# Altium PCB Hrafn.PcbDoc (part 2 of 5) (continued)
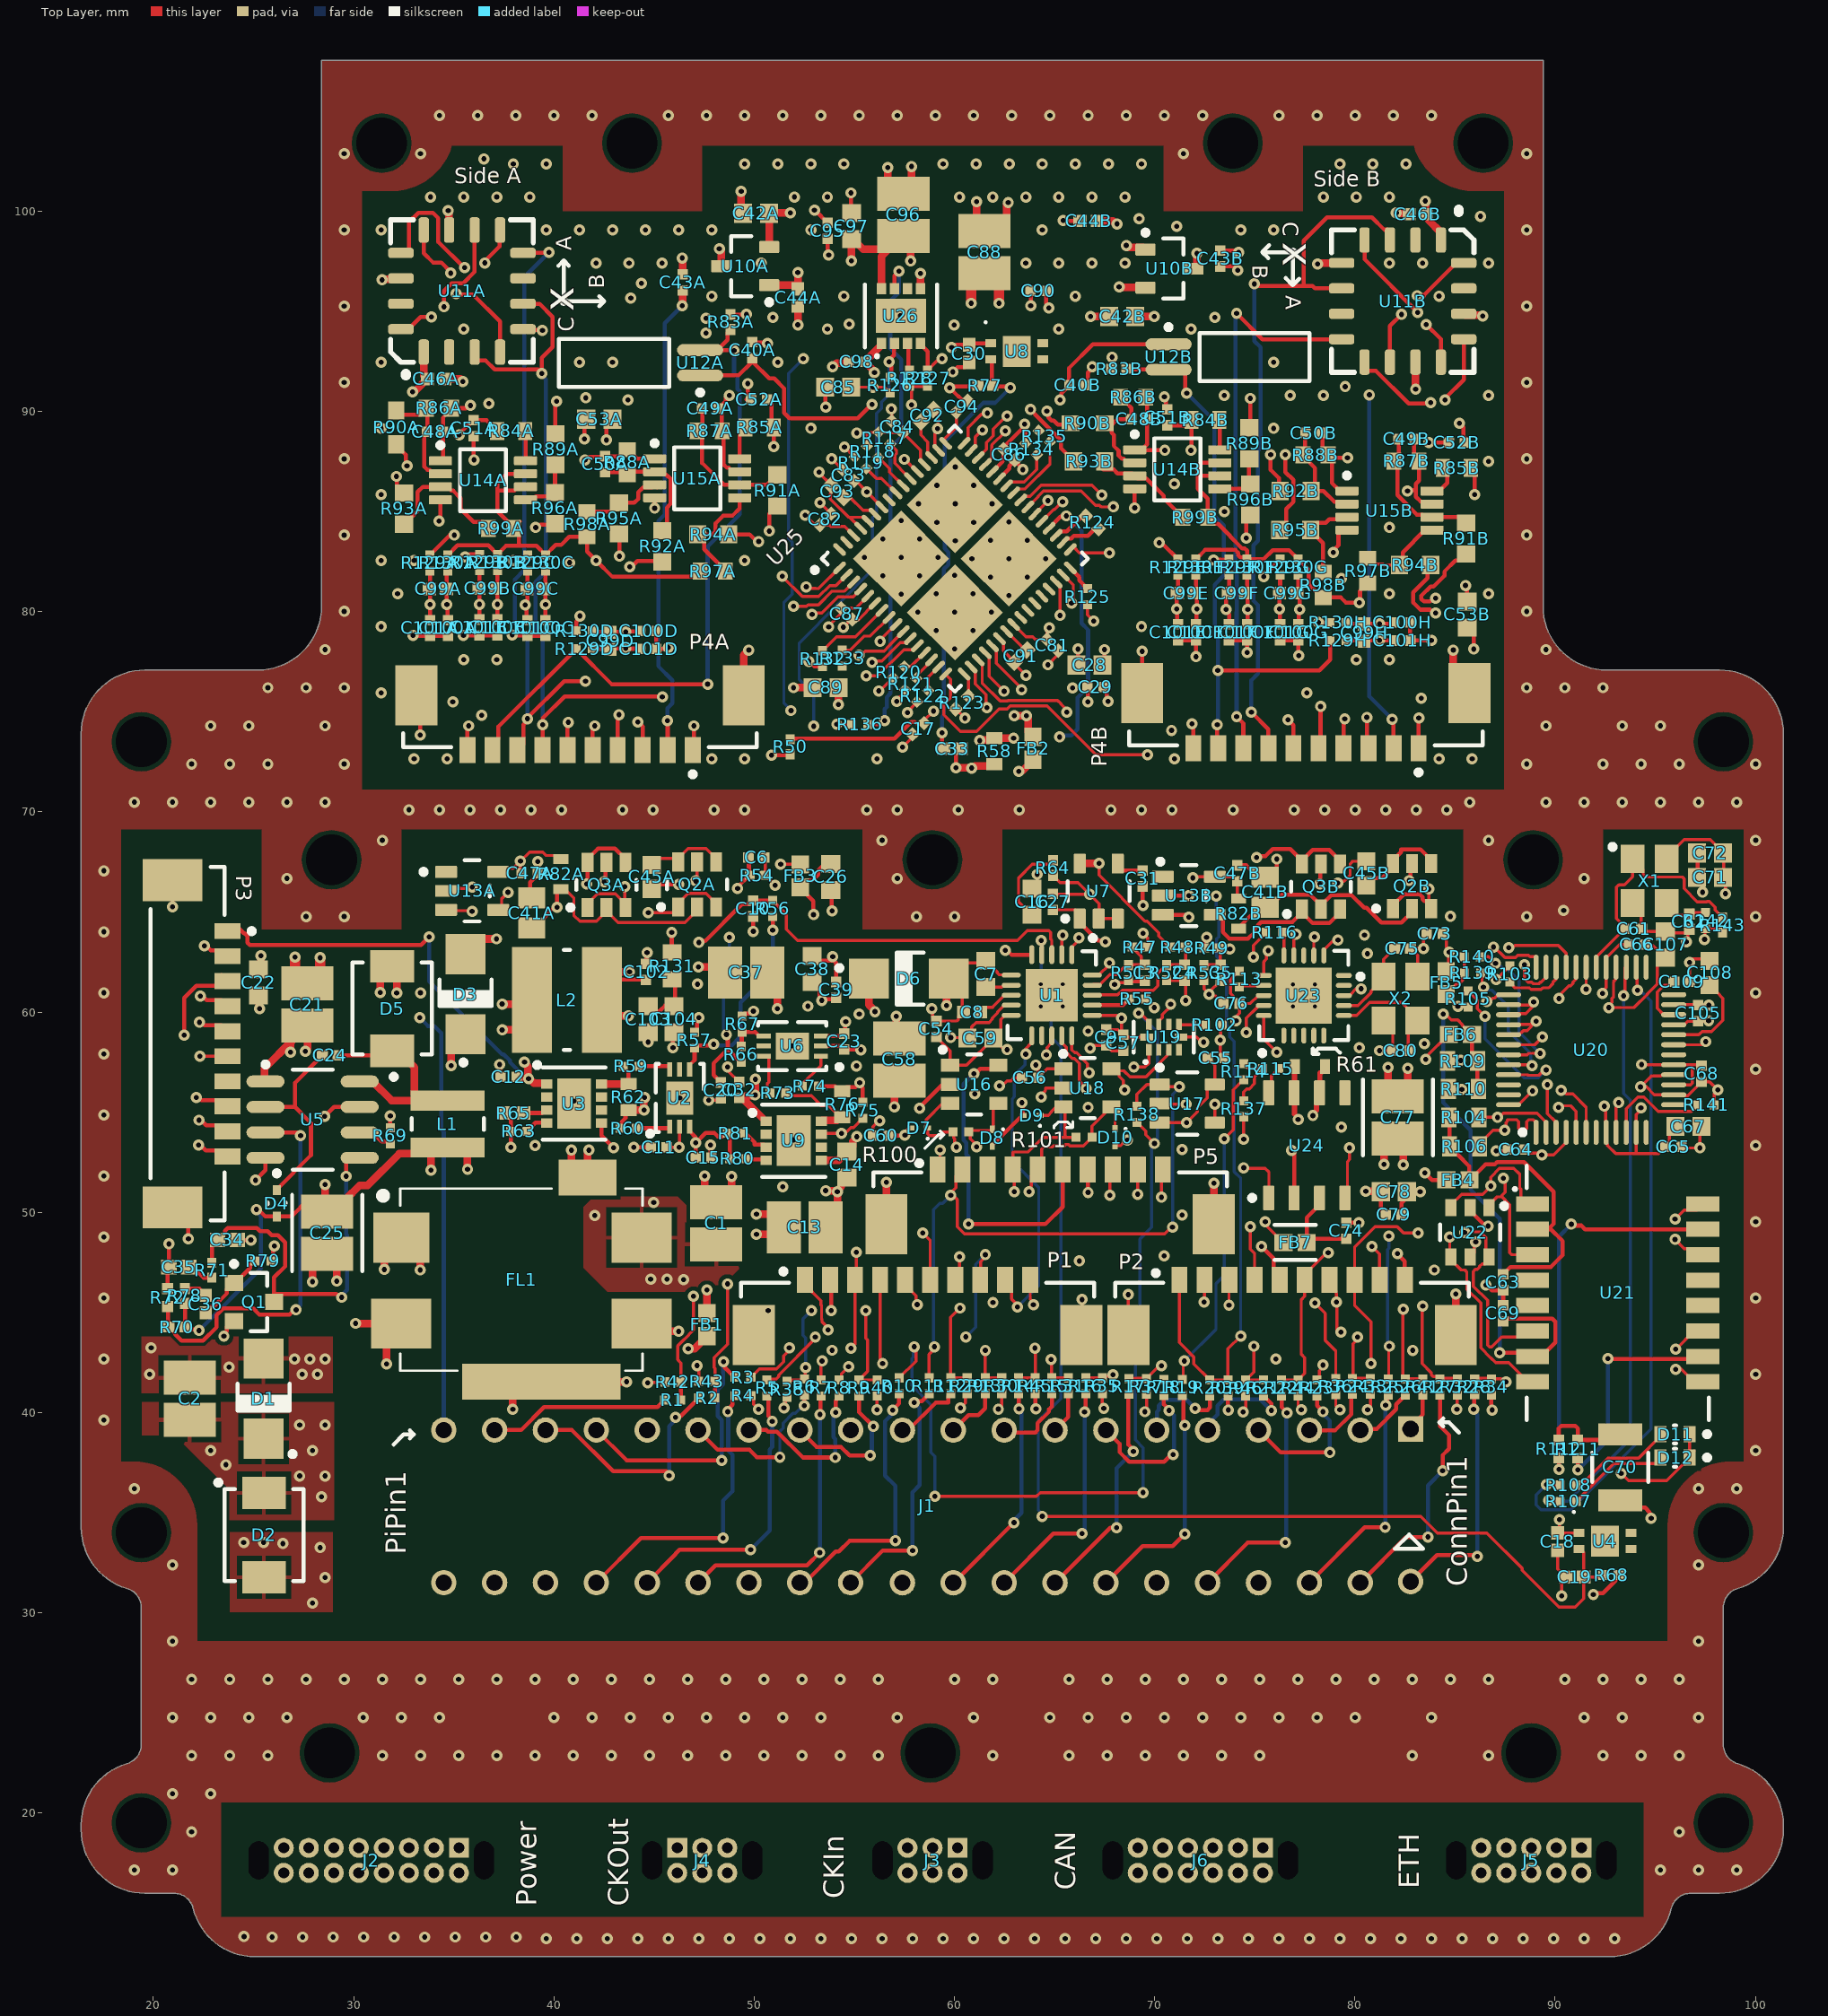
[diagram p0: Top Layer view]
## Part data (continued)
U4 U8: library part AD590, Supplier 1=Digi-Key
U5: library part CMP-0491-01945-1, "4.5 A, 500 kHz Step-Down Switching Regulator, 8-pin SOIC (S8-8), 0 to 125 degC, Pb-Free", Frequency Sync Range="580kHz - 1MHz", Manufacturer="Linear Technology", ComponentLink1Description="Manufacturer URL", ComponentLink1URL=http://www.linear.com/, ComponentLink2Description=Datasheet, ComponentLink2URL=http://cds.linear.com/docs/en/datasheet/1959fs.pdf, ComponentLink3Description="Package Specification", ComponentLink3URL=http://cds.linear.com/docs/en/packaging/05081610_G_SO8.pdf, Mounting Technology="Surface Mount", Number Of Outputs=1, PackageDescription="8-Pin Plastic Small Outline (Narrow .150 Inch), Body 4.9 x 3.9 mm, Pitch 1.27 mm", PackageReference=S8-8, PackageVersion="Rev. G, 03/2012", PartNumber=LT1959CS8#PBF, RoHS=TRUE
U7: library part CMP-0394-00266-2, "Single Output High PSRR LDO, 100 mA, Fixed 3.3 V Output, 2.7 to 5.5 V Input, 5-pin SOT-23 (DBV), -40 to 125 degC, Green (RoHS & no Sb/Br)", Manufacturer="Texas Instruments", Rating=Catalog, Accuracy(%)=2, Code_JEDEC=MO-178, ComponentLink1Description="Manufacturer URL", ComponentLink1URL=http://www.ti.com/, ComponentLink2Description=Datasheet, ComponentLink2URL=http://www.ti.com/general/docs/lit/getliterature.tsp?genericPartNumber=TPS79133&fileType=pdf, ComponentLink3Description="Package Specification", ComponentLink3URL=http://www.ti.com/litv/pdf/mpds018i, ComponentLink4Description="URL Link1", ComponentLink4URL="Samples URL:http://www.ti.com/product/tps79133#samples", DatasheetVersion=SLVS325C, Eco-Plan="Green (RoHS & no Sb/Br)", Fixed Output Options(V)=3.3, Iout(Max)(A)=0.1, Iq(Typ)(mA)=0.2, Mounting Technology="Surface Mount", PackageDescription="5-Pin Plastic Small Outline, Body 1.60 Ãƒâ€” 2.90 mm, Pitch 0.95 mm", PackageReference=DBV0005A, PackageVersion=4073253-4/K, PartNumber=TPS79133DBVR, SubFamily="Single Channel LDO", Vdo(Typ)(mV)=50, Vin(Max)(V)=5.5, Vin(Min)(V)=2.7, Vout Adj(Max)(V)=3.3, Vout Adj(Min)(V)=3.3
U10A U10B: library part CMP-0367-00163-2, "4.096 V, 50 ppm / degC, 50 uA Series (Bandgap) Voltage Reference, -40 to 125 degC, 3-pin SOT-23 (DBZ), Green (RoHS & no Sb/Br)", Manufacturer="Texas Instruments", Rating=Catalog, Temp Coeff(Max)(ppm/ degree C)=50, Temp Coeff(Typ)(ppm/ degree C)=20, Code_JEDEC=TO-236, ComponentLink1Description="Manufacturer URL", ComponentLink1URL=http://www.ti.com/, ComponentLink2Description=Datasheet, ComponentLink2URL=http://www.ti.com/general/docs/lit/getliterature.tsp?genericPartNumber=REF3040&fileType=pdf, ComponentLink3Description="Package Specification", ComponentLink3URL=http://www.ti.com/litv/pdf/mpds108a, DatasheetVersion=SBVS032F, Eco-Plan="Green (RoHS & no Sb/Br)", Initial Accuracy @ 25/deg C(%)=0.2, Iq(Max)(uA)=50, Mounting Technology="Surface Mount", PackageDescription="3-Pin Plastic Small Outline, Body 2.92 x 1.3 mm, Pitch 0.95 mm", PackageReference=DBZ0003A, PackageVersion=4203227/B, PartNumber=REF3040AIDBZT, SubFamily="Series Voltage Reference", VI(Max)(V)=5.5, VI(Min)(V)=4.097, VO(V)=4.096
U11A U11B: Case/Package=PLCC, Manufacturer 1=Honeywell, Max Operating Temperature=125°C, Max Supply Voltage=20V, Min Operating Temperature=-40°C, Min Supply Voltage=1.8V, Nominal Supply Current=500mA, Operating Supply Voltage=3V, Package Quantity=66, Axis="X, Y, Z", Bandwidth=5MHz, ComponentLink1Description=https://datasheet.ciiva.com/15099/getdatasheetpartid-59250-15099355.pdf?src-supplier=Verical, ComponentLink1URL=https://datasheet.ciiva.com/15099/getdatasheetpartid-59250-15099355.pdf?src-supplier=Verical, ComponentLink2Description=https://datasheet.ciiva.com/2816/hmc-1051-1052-1053-data-sheet-2816521.pdf?src-supplier=Digi-Key, ComponentLink2URL=https://datasheet.ciiva.com/2816/hmc-1051-1052-1053-data-sheet-2816521.pdf?src-supplier=Digi-Key, Height=2.5mm, Length=7.4mm, Manufacturer Part Number 1=HMC1053, Number of Pins=16, Output Type="Wheatstone Bridge", Packaging="Tape and Reel", Pricing 1="1=70.65000, 4=63.60000, 100=53.00010, 500=51.24000 (USD)", Radiation Hardening=No, RoHS=Yes, Sensing Method=Magnetoresistive, Stock 1=284, Supplier 1=Digi-Key, Width=7.4mm
U13A U13B: library part CMP-0859-00023-4, "IC INVERTER 1CH 1-INP SOT23-5", Ambient Temperature Range High=+125°C, Ambient Temperature Range Low=-40°C, Manufacturer="Texas Instruments", Max Junction Temp=+150°C, Max Supply Voltage=5.5V, Min Supply Voltage=2V, Nominal Supply Current=1uA, Package=DBV0005A, Temperature="-40°C to +125°C", Automotive=No, Category=IC, ComponentLink2Description=Datasheet, ComponentLink2URL=http://www.ti.com/lit/ds/symlink/sn74ahc1g04.pdf, Device Class L1="Integrated Circuits (ICs)", Device Class L2="Logic ICs", Device Class L3="Logic Gates", Digikey Description="IC INVERTER 1CH 1-INP SOT23-5", Height=1.45mm, Ipc Land Pattern Name=SOT95P280X145-5, Lead Free=Yes, Logic Function Desc=Inverting, Manufacturer Part Number=SN74AHC1G04DBVR, Mouser Description="IC: digital; inverter; Channels: 1; Inputs: 1; SMD; SOT23-5; 2÷5.5VDC", Number of Circuits=1, Number of Inputs=1, Number Of Outputs=1, Octopart=https://octopart.com/sn74ahc1g04dbvr-texas+instruments-464402, Propagation Delay=5.3ns, RoHS=TRUE, Standoff Height=0mm, Temperature Range High=+125°C, Temperature Range Low=-40°C
U14A U14B U15A U15B: library part CMP-0055-01527-3, "Zero Drift, Low Noise, EMI Hardened Amplifier, 8-pin Mini SOIC, Pb-Free", Manufacturer="Texas Instruments", Package Reference=DGK0008A, PackageTopMarking=ZXTT*AV5A, PowerWise=N, Code_JEDEC=MO-187-AA, ComponentLink1Description="Datasheet URL", ComponentLink1URL=http://www.ti.com/general/docs/lit/getliterature.tsp?genericPartNumber=LMP2022&fileType=pdf, CompType=Amplifiers, PackageDescription="MINI SOIC, .118 x .118 x .034in, 8 Lead, .0256in Pitch", PinCount=8, RoHS=Y
U16 U18: library part CMP-0058-01130-2, "Automotive LVDS Differential Line Receiver, 5-pin SOT-23, Pb-Free", Manufacturer="National Semiconductor", PackageTopMarking=N03Q*XTT, PowerWise=N, ComponentLink1Description="DS90LT012AQ Datasheet", ComponentLink1URL=http://www.national.com/ds/DS/DS90LT012AQ.pdf, ComponentLink2Description="DS90LT012AQ Web Page", ComponentLink2URL=http://www.national.com/pf/DS/DS90LT012AQ.html, ComponentLink3Description="MF05A Package Page", ComponentLink3URL=http://www.national.com/packaging/folders/mf05a.html, CompType="Interface IC", DatasheetVersion=Oct-2008, PackageDescription="Molded SOT-23, .115 x .063 x .040 in Body, 5 Lead, .0375 in Pitch", PackageReference=MF05A, PackageVersion="revD, Aug-2008", PinCount=5, RevisionNote="Component URLs added", RoHS=Y
U17: library part CMP-0338-00013-2, "Processor Supervisory Circuit, 1 Supply Monitored, -40 to 85 degC, 5-Pin SOT-23 (DBV), Green (RoHS & no Sb/Br)", Manufacturer="Texas Instruments", Operating Temperature Range="-40 to 85 degC", Rating=Catalog, Threshold Voltage="2.93 V Typ.", # of Supplies Monitored=1, ComponentLink1Description="Manufacturer URL", ComponentLink1URL=www.ti.com, ComponentLink2Description=Datasheet, ComponentLink2URL=http://www.ti.com/lit/ds/symlink/tps3820-33.pdf, ComponentLink3Description="Package Specification", ComponentLink3URL=http://www.ti.com/lit/ml/mpds018j/mpds018j.pdf, DatasheetVersion=SLVS165J, Iq="15 uA Typ.", Mounting Technology="Surface Mount", Output Driver Type / Reset Output="Active-low, Push-pull", PackageDescription="5-Pin Plastic Small Outline, Body 1.6 x 2.9 mm, Pitch 0.95 mm", PackageReference=DBV0005A, PackageVersion=4073253-4/L, Packing="Tape and Reel", PartNumber=TPS3820-33DBVT, Reset Threshold Accuracy=2.4%, RoHS=TRUE, Time Delay="25 ms", VCC="1.1 V Min.", Watchdog Timer WDI="0.2 s"
U19: library part CMP-04892-000024-1, "IC SWITCH SPDT DUAL 10UQFN", Ambient Temperature Range High=+85°C, Ambient Temperature Range Low=-40°C, Manufacturer="Texas Instruments", Max Supply Voltage=4.8V, Min Supply Voltage=2.3V, Nominal Supply Current=30uA, On State Resistance=4.6/5.7Ω, Package=RSE0010A, Temperature="-40°C to +85°C", -3Db Bandwith=6.1GHz, Automotive=No, Category=IC, ComponentLink2Description=Datasheet, ComponentLink2URL=http://www.ti.com/lit/ds/symlink/tmux136.pdf, Device Class L1="Integrated Circuits (ICs)", Device Class L2="Interface ICs", Device Class L3="Analog Switches", Digikey Description="IC SWITCH SPDT DUAL 10UQFN", Footprint Url=http://www.ti.com/lit/ds/symlink/ts3a24157.pdf, Height=0.6mm, Ipc Land Pattern Name=QFN50P150X200X55-10, Lead Free=Yes, Manufacturer Part Number=TMUX136RSER, Mouser Description="Dual SPDT, Low-Capacitance, 6.1 GHz Analog Switch 10-UQFN -40 to 85", Mux Demux Ratio=2:1, Number of Circuits=2, Octopart=https://octopart.com/tmux136rser-texas+instruments-86728646, RoHS=TRUE, Standoff Height=0mm, Temperature Range High=+85°C, Temperature Range Low=-40°C, Throw Configuration=SPDT
U20: "Socket Contact Silver 17-20 AWG Crimp Power", Package="LQFP-48 WIZnet", Availability=Unavailable, MF=WIZnet, MP=W5500, Price=None, SnapEDA_Link=https://www.snapeda.com/parts/W5500/WIZnet/view-part/45250/?ref=snap
U21: library part CMP-2000-06431-1, "Telecom Transformer 1:1/1:1, -40 to 85 degC, 16-Pin SMT, RoHS, Tube", Manufacturer="Pulse Electronics", Package Description="16-Pin Surface Mount Device, Body 12.7 x 9.09 mm, Pitch 1.27 mm", Package Reference=SMT, Standard Package=40, Category=Transformers, Datasheet URL=http://productfinder.pulseeng.com/products/datasheets/HX1188FNL.pdf;jsessionid=D0CB5525A348FF42F5E5BE320CB10324, Datasheet Version="Rev. B, 05/2014", Family=PulseTransformers, Height - Seated (Max)=5.99mm, Manufacturer URL=http://www.pulseelectronics.com/, Mounting Technology=SurfaceMount, Mounting Type=SurfaceMount, Online Catalog=HX1188, Other Names=553-2200, Other Related Documents=PackagesFNLvs.NL, PartNumber=HX1188FNL, Size / Dimension=12.70mmLx9.00mmW, Transformer Type=IsolationandDataInterface(Encapsulated), Turns Ratio - Primary=Secondary:1:1Transmitter,1:1Receiver
U22: library part CMP-1063-00180-1, "4-Channel Low Capacitance ESD Protection Array, 6-Pin SOT-23, Pb-Free, Tape and Reel", Manufacturer="On Semiconductor", C Max (pF)=0.8, ComponentLink1Description="Manufacturer URL", ComponentLink1URL=http://www.onsemi.com/, ComponentLink2Description=Datasheet, ComponentLink2URL=http://www.onsemi.com/pub_link/Collateral/CM1224-D.PDF, ComponentLink3Description="Package Specification", ComponentLink3URL=http://www.onsemi.com/pub_link/Collateral/527AJ.PDF, DatasheetVersion="Rev. 5", Direction=Unidirectional, IR Max (uA)=1, Mounting Technology="Surface Mount", Number of Lines=4, PackageDescription="6-Pin Small Outline Transistor, Body 2.85 x 1.55 mm, Pitch 0.95 mm", PackageReference=SOT23-6-527AJ, PackageVersion="Rev. B, 02/2012", Packing="Tape and Reel", PartNumber=CM1224-04SO, PPK Max (W)=0.225, RoHS=Pb-Free
U23: library part CMP-0186-00186-1, "Stand-Alone CAN Controller With SPI Interface, 20-Pin QFN, Industrial Temperature, Tape and Reel", ComponentLink1Description="Manufacturer URL", ComponentLink1URL=http://www.microchip.com/, ComponentLink2Description=Datasheet, ComponentLink2URL=http://ww1.microchip.com/downloads/en/DeviceDoc/21801F.pdf, ComponentLink3Description="Package Specification", ComponentLink3URL=http://www.microchip.com/stellent/groups/techpub_sg/documents/packagingspec/en012702.pdf, DatasheetVersion="revF, Oct-2010", PackageDescription="20-Lead Plastic Quad Flat, No Lead Package (ML) - 4x4x0.9 mm Body [QFN]", PackageReference=QFN-ML20, PackageVersion="revBB, Aug-2009"
U24: library part CMP-0315-00015-2, "3.3V CAN Transceiver with Standby Mode, 17 mA, -40 to 85 degC, 8-pin SOIC (D), Green (RoHS & no Sb/Br)", Drivers Per Package=1, Low Power Mode=Standby, Manufacturer="Texas Instruments", Rating=Catalog, Supply Voltage(s)(V)=3.3, Code_JEDEC=MS-012AA, ComponentLink1Description=Datasheet, ComponentLink1URL=http://www.ti.com/general/docs/lit/getliterature.tsp?genericPartNumber=SN65HVD230&fileType=pdf, DatasheetVersion=SLOS346K, Eco-Plan="Green (RoHS & no Sb/Br)", ICC(Max)(mA)=17, Isolated=No, Mounting Technology="Surface Mount", PackageDescription="8-Pin Plastic Small Outline Integrated Circuit, 4.9 x 3.9 mm, Pitch 1.27 mm Pitch", PackageReference=D0008A, PackageVersion="revM, Jun-2011", PartNumber=SN65HVD230DR, Receivers Per Package=1, SubFamily=CAN, Transient Pulse Protection(V)="-25 to 25"
U25: "ANALOG DEVICES - AD7779ACPZ - Analogue to Digital Converter, 8-CH, Sigma-Delta, 24 bit, 16 kSPS, Differential, Single Ended, SPI", Manufacturer 1="Analog Devices", Manufacturer Part Number 1=AD7779ACPZ, Max Operating Temperature=125°C, Max Supply Voltage=3.6V, Min Operating Temperature=-40°C, Min Supply Voltage=2.2V, Supplier Part Number 1=AD7779ACPZ-ND, Category="Analog to Digital Converters (ADCs)", ComponentLink1Description=http://www.mouser.com/ds/2/609/AD7779-907534.pdf?src-supplier=Mouser, ComponentLink1URL=http://www.mouser.com/ds/2/609/AD7779-907534.pdf?src-supplier=Mouser, ComponentLink2Description=http://www.farnell.com/datasheets/2251075.pdf?src-supplier=Farnell, ComponentLink2URL=http://www.farnell.com/datasheets/2251075.pdf?src-supplier=Farnell, ComponentLink3Description=http://www.farnell.com/datasheets/2170257.pdf?src-supplier=Element14, ComponentLink3URL=http://www.farnell.com/datasheets/2170257.pdf?src-supplier=Element14, ComponentLink4Description=http://www.analog.com/media/en/technical-documentation/data-sheets/AD7779.pdf?src-supplier=Digi-Key, ComponentLink4URL=http://www.analog.com/media/en/technical-documentation/data-sheets/AD7779.pdf?src-supplier=Digi-Key, Interface=Serial,SPI, Lead Free="Contains Lead", Number of A/D Converters=8, Number of Bits=24, Number of Inputs=8, Number of Pins=64, Packaging=Tray, Pricing 1="1=13.27000, 10=12.19800, 25=11.69200, 100=9.79600, 250=9.16400, 500=8.53200, 1000=8.40560 (USD)", REACH SVHC="No SVHC", Resolution=24b, RoHS=Yes, Sampling Rate=16000S/s, Stock 1=259, Supplier 1=Digi-Key
X1 X2: library part CMP-2000-05733-1, "Ultra Miniature Ceramic Glass Sealed SMD Crystal, 25 MHz, -40 to 85 degC, 4-Pin SMD, RoHS, Tape and Reel", Case Height=1mm, Case Length=3.2mm, Case Width=2.5mm, Frequency=25MHz, Frequency Stability=30PPM, Load Capacitance=18pF, Manufacturer=ABRACON, Operating Temperature Range=-40Cto+85C, Package / Case=3.2mmx2.5mm, Package Description="4-Pin Surface Mount Device, Body 2.5 x 3.2 mm, Pitch 2.2 mm", Package Reference=ABM8G, Tolerance=20PPM, Brand=ABRACON, Datasheet URL=http://www.abracon.com/Resonators/ABM8G.pdf, Datasheet Version=08/2015, Dimensions=2.5mmWx3.2mmLx1mmH, ESR=60Ohms, Factory Pack Quantity=1000, Manufacturer URL=http://www.abracon.com/, Mounting Style=SMD/SMT, Mounting Technology=SurfaceMount, Packaging=Reel, Product Category=Crystals, RoHS=Details, Series=ABM8G, Termination Style=SMD/SMT, Type=UltraMiniatureGlassSealedCrystal
U2 U6: ComponentLink1Description=Datasheet, ComponentLink1URL=https://www.analog.com/media/en/technical-documentation/data-sheets/6105fa.pdf
U12A U12B: Supplier 1=Digi-Key, Supplier 2=Digi-Key, Supplier Part Number 2=AD590LF-ND

## Free pads (board coordinates)
  round 0 hole 2.54 unplated: ""(19.4,19.5) ""(19.4,34) ""(19.4,73.5) ""(28.8,23) ""(28.9,67.6) ""(31.4,103.4) ""(43.9,103.4) ""(58.8,23) ""(58.9,67.6) ""(73.9,103.4) ""(86.4,103.4) ""(88.8,23) ""(88.9,67.6) ""(98.4,19.5) ""(98.4,34) ""(98.4,73.5)

## Via types
v1: diameter 0.559, hole 0.254, Top Layer to Bottom Layer, 1120 vias
v2: diameter 0.6, hole 0.25, Top Layer to Bottom Layer, 36 vias
v3: diameter 0.5, hole 0.2, Top Layer to Bottom Layer, 8 vias
v4: diameter 0.61, hole 0.254, Top Layer to Bottom Layer, 2 vias

## Nets (pads, with @x,y where several pads share a name; then routed paths per layer and width w, separated by ;. In a path a pad name is that pad's centre, name@x,y a point inside that pad or via, vN(x,y) a via of type N, cw(c..) or ccw(c..) an arc to the next point about the centre after c; other vN are vias at no path point)
1_A: C48A.2 P4A.4 R86A.2 R129A.1 U14A.1 | length 31.4
  Top Layer w0.203: R129A.1@33.809,82.831 34.798,83.82 v1(35.027,83.82) ; U14A.1@34.331,87.535 34.334,87.535 34.457,87.658 34.457,88.981 34.457,89.686 34.881,90.11 R86A.2@34.881,90.16 35.606,90.16 35.743,90.297 v1(35.839,90.297) ; P4A.4@43.182,73.076 43.182,74.779 v1(43.256,74.854)
  Internal Top w0.203: v1(34.95,75.489) 40.419,75.489 41.054,74.854 v1(43.256,74.854)
  Internal Bottom w0.203: v1(34.95,75.489) 34.95,79.001 35.162,79.213 35.162,81.379 35.027,81.515 v1(35.027,83.82) 35.027,86.347 34.77,86.603 34.77,89.228 v1(35.839,90.297)
1_B: C49A.2 P4A.5 R87A.2 R129B.1 U15A.7 | length 42.3
  Top Layer w0.203: v1(35.56,82.728) 35.656,82.728 35.785,82.857 R129B.1@36.284,82.857 ; P4A.5@41.932,73.076 41.932,74.19 v1(42.037,74.295) ; C49A.2@48.193,90.145 C49A.2@48.213,90.145 ; R87A.2@48.402,89.027 R87A.2@48.381,89.048 ; U15A.7@49.281,86.985 48.931,86.985 48.735,87.181 48.641,87.181 48.478,87.344 48.478,88.952 R87A.2@48.381,89.048 ; C49A.2@48.213,90.145 48.594,90.525 v1@48.594,90.737 ; C49A.2@48.213,90.145 48.381,89.976 R87A.2@48.381,89.048 ; v1@48.594,90.737 48.662,90.805 v1(48.764,90.805) 48.696,90.737 v1@48.594,90.737
  Internal Top w0.203: v1(36.398,74.828) 37.389,73.838 41.58,73.838 v1(42.037,74.295) ; v1(36.754,90.399) 38.393,90.399 38.799,89.992 47.981,89.992 48.764,90.776 v1(48.764,90.805)
  Internal Bottom w0.203: v1(36.398,74.828) 36.398,79.172 35.56,80.01 v1(35.56,82.728) 36.754,83.922 v1(36.754,90.399)
1_C: C50A.2 P4A.6 R88A.2 R129C.1 U15A.1 | length 22.5
  Top Layer w0.203: v1(37.973,82.55) 38.069,82.55 38.227,82.708 38.56,82.708 R129C.1@38.684,82.831 ; P4A.6@40.682,73.076 40.682,74.438 v1(40.716,74.473) ; v1(41.554,87.579) 41.651,87.579 41.801,87.73 42.556,87.73 42.556,87.75 43.271,87.75 43.606,88.085 43.706,88.085 44.033,87.759 44.033,87.754 44.152,87.635 U15A.1@45.031,87.635
  Internal Top w0.203: v1(37.973,82.55) 38.024,82.499 40.742,82.499 v1(40.792,82.448)
  Internal Bottom w0.203: v1(40.716,74.473) 40.716,74.569 40.615,74.671 40.615,80.835 40.792,81.012 v1(40.792,82.448) 40.792,86.817 v1(41.554,87.579)
1_H: P4A.3 R97A.1 R98A.1 R99A.1 R130A.1 R130B.1 R130C.1 U14A.6 U14A.7 | length 32.4
  Top Layer w0.152: R99A.1@38.28,84.509 R99A.1@38.33,84.509
  Top Layer w0.203: R130A.1@34.709,82.831 35.188,83.31 36.73,83.31 R130B.1@37.184,82.857 37.612,83.285 38.364,83.285 ; R99A.1@37.981,84.16 38.255,83.886 38.255,83.394 38.364,83.285 ; R99A.1@37.981,84.21 37.18,85.011 37.18,86.038 ; U14A.6@38.581,86.235 38.231,86.235 38.035,86.038 37.18,86.038 ; U14A.7@38.581,86.885 37.648,86.885 37.18,86.417 37.18,86.038 ; R98A.1@41.333,83.461 41.383,83.511 R98A.1@41.383,83.563 ; v1(44.196,74.49) 44.432,74.254 P4A.3@44.432,73.076 ; R97A.1@47.305,82.017 47.305,82.011 47.031,81.737 42.926,81.737 v1(42.113,82.55) 41.656,83.007 R98A.1@41.656,83.735 40.765,83.735 40.368,83.337 40.09,83.337 R130C.1@39.584,82.831 39.13,83.285 38.364,83.285
  Internal Bottom w0.203: v1(42.113,82.55) 44.196,80.467 v1(44.196,74.49)
1_T: P4A.9 R83A.2 R129D.1 U12A.2 | length 34.7
  Top Layer w0.203: P4A.9@36.932,73.076 36.754,73.254 36.859,73.254 37.23,73.624 37.23,74.253 R129D.1@41.118,78.141 42.882,76.378 v1(47.676,76.378) ; U12A.2@47.302,93.066 U12A.2@48.152,93.066 ; R83A.2@48.819,94.088 48.67,93.939 48.67,93.584 U12A.2@48.152,93.066 ; v1(48.997,93.04) 48.971,93.066 U12A.2@48.152,93.066
  Bottom Layer w0.203: v1(47.676,76.378) 47.676,83.255 49.272,84.851 49.272,91.015 49.174,91.113 49.174,91.729 48.997,91.907 v1(48.997,93.04)
2_A: C48B.2 P4B.4 R86B.2 R129E.1 U14B.1 | length 31
  Top Layer w0.203: R86B.2@69.553,90.708 69.618,90.643 69.618,89.608 69.618,88.348 69.353,88.083 U14B.1@69.003,88.083 69.017,88.069 70.494,88.069 v1(70.507,88.055) ; v1(70.231,83.439) 70.299,83.371 70.411,83.371 R129E.1@71.161,82.621 ; P4B.4@79.428,73.172 79.428,74.555 79.493,74.62 v1(79.493,74.645)
  Internal Top w0.203: v1(70.843,74.07) 70.843,73.964 70.962,73.845 78.693,73.845 v1(79.493,74.645)
  Internal Bottom w0.203: v1(70.507,88.055) 70.507,87.959 70.231,87.683 70.231,80.647 70.093,80.509 70.093,77.965 70.843,77.215 v1(70.843,74.07)
2_B: C49B.2 P4B.5 R87B.2 R129F.1 U15B.7 | length 35.4
  Top Layer w0.203: v1(72.947,82.573) 72.97,82.597 73.69,82.597 R129F.1@73.713,82.621 ; P4B.5@78.178,73.172 78.283,73.276 v1(78.283,75.26) ; v1(82.626,86.03) 82.657,86.061 83.048,86.061 ; C49B.2@82.962,88.615 82.962,87.75 R87B.2@83.197,87.515 83.197,86.537 83.048,86.388 83.048,86.061 ; U15B.7@83.852,85.374 83.728,85.497 83.284,85.497 83.048,85.733 83.048,86.061
  Internal Top w0.203: v1(73.485,84.988) 81.585,84.988 v1(82.626,86.03) ; v1(78.283,75.26) 78.296,75.26 78.703,75.667 v1(83.312,75.667)
  Internal Bottom w0.203: v1(72.947,82.573) 72.947,84.45 v1(73.485,84.988) ; v1(82.626,86.03) 83.312,85.344 v1(83.312,75.667)
2_C: C50B.2 P4B.6 R88B.2 R129G.1 U15B.1 | length 25.2
  Top Layer w0.203: v1(75.443,81.745) 75.443,81.797 R129G.1@76.266,82.621 ; v1(76.662,74.603) 76.928,74.337 P4B.6@76.928,73.172 ; C50B.2@78.323,88.926 78.385,88.865 78.385,88.1 R88B.2@78.658,87.826 R88B.2@78.804,87.681 ; U15B.1@79.602,86.024 79.252,86.024 78.855,86.42 78.855,87.629 R88B.2@78.804,87.681 ; v1(79.629,87.681) R88B.2@78.804,87.681
  Internal Top w0.203: v1(75.443,81.745) 75.455,81.732 79.324,81.732 v1(79.324,81.661)
  Internal Bottom w0.203: v1(75.443,81.745) 75.443,79.067 75.159,78.784 75.159,76.106 v1(76.662,74.603) ; v1@79.43,81.72 79.324,81.825 79.324,82.644 79.629,82.949 v1(79.629,87.681)
2_H: P4B.3 R97B.1 R98B.1 R99B.1 R130E.1 R130F.1 R130G.1 U14B.6 U14B.7 | length 28.2
  Top Layer w0.203: R130E.1@72.061,82.621 72.521,83.081 74.026,83.081 74.167,82.94 74.167,82.821 74.287,82.701 74.533,82.701 R130F.1@74.613,82.621 ; U14B.6@73.253,86.783 72.349,86.783 72.157,86.974 ; U14B.7@73.253,87.433 72.335,87.433 72.157,87.255 72.157,86.974 ; v1(80.593,74.72) 80.593,73.258 P4B.3@80.678,73.172 ; R97B.1@80.645,81.417 80.595,81.417 80.322,81.144 80.322,81.094 80.254,81.026 80.254,80.483 v1(80.213,80.442) 79.557,80.442 79.293,80.706 R98B.1@78.41,80.706 78.36,80.706 77.699,81.367 77.699,82.088 R130G.1@77.166,82.621 76.712,83.074 75.888,83.074 75.434,82.621 R130F.1@74.613,82.621 ; 72.157,86.974 72.157,86.134 72.653,85.639 R99B.1@72.653,84.708 72.653,84.658 72.927,84.384 73.17,84.384 73.767,83.787 73.767,83.757 74.364,83.16 74.496,83.16 74.615,83.041 74.615,82.622 R130F.1@74.613,82.621
  Internal Bottom w0.203: v1(80.213,80.442) 78.96,79.188 78.96,76.353 v1(80.593,74.72)
2_T: P4B.9 R83B.2 R129H.1 U12B.2 | length 29.8
  Top Layer w0.203: R83B.2@68.599,92.126 68.619,92.106 70.674,92.106 U12B.2@70.693,92.087 71.419,92.087 71.603,91.904 71.535,91.904 71.535,90.975 v1(71.603,90.907) ; v1(73.127,74.353) 73.127,73.224 P4B.9@73.178,73.172 ; v1(73.152,77.064) 78.232,77.064 78.761,77.593 R129H.1@78.761,78.555
  Bottom Layer w0.203: v1(71.603,90.907) 72.977,89.532 72.977,84.778 73.455,84.301 73.455,81.806 73,81.351 73,78.855 73.152,78.703 73.152,74.378 v1(73.127,74.353)
3V3_Pi: J1.1 P3.5 | length 34.1
  Top Layer w0.203: v1(22.301,59.487) 22.397,59.487 22.545,59.34 23.407,59.34 P3.5@23.705,59.041 ; J1.1@34.5,39.12 J1.1@34.575,39.045
  Internal Top w0.203: v1(22.301,59.487) 22.479,59.664 33.248,59.664 v1(33.299,59.715)
  Bottom Layer w0.203: v1(33.299,59.715) 33.713,59.303 34.022,59.303 34.367,58.958 34.367,54.165 34.5,54.032 J1.1@34.5,39.12
3V3_RAW: C32.1 C102.2 C103.2 C104.2 L2.2 P3.3 U9.1 | length 38.9
  Top Layer w0.203: v1(21.539,58.852) 21.539,60.708 22.14,61.308 23.173,61.308 23.556,61.69 P3.3@23.407,61.84 ; L2.2@42.4,60.717 43.298,61.615 C102.2@44.6,61.615 ; v1@44.7,58.45 C103.2@44.7,59.055 ; v1(45.949,58.217) 45.949,58.945 C104.2@46,58.996
  Top Layer w0.381: v1(43.725,59.8) 43.205,59.8 L2.2@42.4,60.605 42.4,60.717 42.4,61.19 43.21,62 v1(43.775,62) ; C32.1@49.481,55.629 50.515,54.595 50.56,54.595 U9.1@50.605,54.551 ; C32.1@49.481,55.808 49.724,55.808 49.736,55.821 50.015,55.821 50.056,55.862 50.056,56.635 v1(50.063,56.642)
  Internal Top w0.203: v1(21.539,58.852) 33.154,58.852 34.069,59.766 38.76,59.766 40.994,62 v1(43.775,62)
  other v1: 50.049,55.855 44.7,58.501
5V_RAW: C1.1 C12.2 FL1.2 P3.1 U3.1 | length 22.7
  Top Layer w0.203: P3.1@23.705,64.041 23.955,64.041 24.181,64.268 24.51,63.939 24.561,63.939 24.7,63.8 24.7,63.467 24.819,63.348 33.373,63.348 v1(33.775,63.75)
  Top Layer w0.381: C12.2@38.126,56.762 38.186,56.701 v1@38.701,56.701 ; v1(38.532,57.498) 38.532,57.45 38.701,57.281 v1@38.701,56.701 ; U3.1@39.639,56.404 39.594,56.449 39.002,56.449 38.783,56.667 v1(38.735,56.667) v1@38.701,56.701
  Bottom Layer w0.203: v1(33.775,63.75) 33.775,61.526 37.414,57.887 37.498,57.887 37.795,57.589 37.795,57.506 38.481,56.82 38.486,56.82 38.639,56.667 v1(38.735,56.667)
  other v1: 46.482,46.634 44.831,46.66 45.644,46.66 42.037,49.835 44.983,50.495
800KHZ_N: D10.1 J3.2 J4.2 P5.5 R101.1 U18.4 | length 83.2
  Top Layer w0.152: v1(63.729,51.029) 63.728,51.216 63.833,51.321 63.833,51.822 64.35,52.34 64.35,53.164 64.44,53.254 64.878,53.254 64.942,53.318 65.497,53.318 65.569,53.391 65.69,53.391 65.763,53.318 66.444,53.318 R101.1@66.872,53.746 66.872,54.307 67.825,55.26 68.025,55.26 68.021,55.257 D10.1@68.021,54.166
  Internal Top w0.152: J4.2@46.158,17.003 45.63,16.475 44.617,16.475 44.205,16.887 44.205,17.348 44.116,17.438 43.161,17.438 42.342,18.257 42.342,19.538 43.124,20.32 62.261,20.32 63.754,18.827 63.754,17.978 62.997,17.221 62.556,17.221 62.339,17.438 62.201,17.438 62.112,17.348 62.112,16.887 61.7,16.475 60.687,16.475 J3.2@60.158,17.003
  Internal Bottom w0.152: J3.2@60.158,17.003 60.687,16.475 61.7,16.475 62.112,16.887 62.112,17.348 62.201,17.438 62.485,17.438 63.475,18.427 63.475,28.149 61.553,30.07 61.553,41.764 65.227,45.438 65.227,48.951 63.528,50.65 63.528,50.718 63.729,50.919 v1(63.729,51.029)
800KHZ_P: D9.1 J3.1 J4.1 P5.4 R101.2 U18.3 | length 83.4
  Top Layer w0.152: v1(62.992,51.029) 62.992,51.825 62.789,52.028 62.918,52.157 62.918,53.011 63.694,53.011 64.429,53.746 65.618,53.746 ; D9.1@64.276,54.839 64.684,54.839 64.851,55.005 64.851,55.036 65.075,55.26 65.275,55.26 65.305,55.26 65.529,55.036 65.529,53.836 65.618,53.746 ; R101.2@66.072,53.746 65.618,53.746
  Internal Top w0.152: J4.1@46.158,18.253 45.735,18.677 45.304,18.677 45.2,18.781 44.617,18.781 44.205,18.369 44.205,17.908 44.116,17.819 43.319,17.819 42.723,18.415 42.723,19.38 43.282,19.939 51.994,19.939 52.73,19.939 52.862,19.807 52.862,19.055 52.995,18.923 53.391,18.923 53.523,19.055 53.523,19.807 53.655,19.939 54.051,19.939 54.183,19.807 54.183,19.055 54.315,18.923 54.712,18.923 54.844,19.055 54.844,19.807 54.976,19.939 55.499,19.939 62.103,19.939 63.373,18.669 63.373,18.136 62.84,17.602 62.713,17.602 62.497,17.819 62.201,17.819 62.112,17.908 62.112,18.369 61.7,18.781 61.117,18.781 61.013,18.677 60.582,18.677 J3.1@60.158,18.253
  Internal Bottom w0.152: J3.1@60.158,18.253 60.582,18.677 61.013,18.677 61.117,18.781 61.7,18.781 62.112,18.369 62.112,17.908 62.201,17.819 62.327,17.819 63.094,18.585 63.094,27.991 61.172,29.912 61.172,41.922 64.846,45.595 64.846,48.793 63.082,50.558 63.082,50.625 63.07,50.638 63.07,50.951 v1(62.992,51.029)
A3V3: C28.2 C29.2 C51A.2 C51B.2 C52A.2 C52B.2 C53A.2 C53B.2 C81.2 C82.2 C83.2 C84.2 C85.2 C86.2 C87.2 C88.1 C89.2 C90.2 P4A.1 P4B.1 R48.2 R84A.2 R84B.2 R85A.2 R85B.2 R117.2 R118.2 R126.2 R136.2 U7.5 U25.6 U25.24 U25.43 U25.52 U25.58 U25.62 | length 48.2
  Top Layer w0.152: v1(52.553,84.811) 53.042,84.322 C82.2@53.281,84.322 53.757,84.322 53.822,84.256 54.525,84.256 U25.62@54.97,83.812 ; v1(54.458,79.223) 54.838,79.603 55.216,79.603 U25.6@56.03,80.418 ; C85.2@54.854,91.211 v1(55.931,91.211) 56.496,91.211 R126.2@56.794,90.913 ; C83.2@54.994,86.534 55.075,86.534 v1(55.628,85.981) U25.58@56.384,85.226 ; v1(55.118,88.925) 55.142,88.95 R117.2@56.22,88.95 56.736,88.95 56.743,88.942 57.168,88.942 57.173,88.947 C84.2@57.433,88.947 58.311,88.07 58.311,87.542 U25.52@58.505,87.347 ; R118.2@55.635,88.272 55.635,88.959 ; U25.24@62.96,79.357 63.577,78.739 63.904,78.739 64.033,78.61 C81.2@64.62,78.61 64.62,78.962 64.745,79.087 v1(64.745,79.197) ; v1(67.225,67.425) 67.225,66.839 69.52,64.545 69.614,64.545 69.8,64.358 70.199,63.96 70.199,63.793 R48.2@70.745,63.246
  Top Layer w0.203: v1(35.278,88.824) 35.278,88.883 35.641,89.246 35.684,89.246 C51A.2@35.996,89.557 36.63,89.557 R84A.2@37.166,89.021 ; v1(41.529,88.621) 41.529,89.399 41.466,89.462 C53A.2@41.616,89.611 ; P4A.1@46.932,73.076 46.99,73.134 v1(46.99,74.295) ; C52A.2@50.871,90.6 50.871,89.304 R85A.2@50.972,89.203 ; v1(50.978,88.24) 50.972,88.246 R85A.2@50.972,89.203 ; R85A.2@51.018,89.157 R85A.2@50.972,89.203 ; v1(54.127,74.371) R136.2@54.877,74.371 ; U25.43@62.253,86.64 62.253,86.653 62.744,87.144 62.744,87.286 63.056,87.599 63.125,87.599 63.112,87.586 63.112,87.429 63.42,87.121 v1(63.42,87.093) ; v1(63.81,95.285) C90.2@63.81,96.025 ; C28.2@65.998,77.333 66.167,77.502 v1(66.167,78.13) ; C29.2@67.438,76.233 67.439,76.233 67.598,76.074 67.598,75.582 v1(67.666,75.514) ; C51B.2@70.628,89.308 71.59,89.308 R84B.2@71.838,89.556 ; v1(71.807,88.055) 71.838,88.086 R84B.2@71.838,89.556 ; R84B.2@71.838,89.569 R84B.2@71.838,89.556 ; P4B.1@83.178,73.172 83.178,74.68 v1(83.193,74.695) ; v1(85.217,89.408) 85.417,89.208 85.417,88.741 C52B.2@85.715,88.443 ; C53B.2@85.691,79.024 85.764,79.024 85.928,78.86 v1(85.928,78.13) ; R85B.2@85.715,87.173 85.979,86.909 v1(85.979,85.852)
  Top Layer w0.381: v1(51.968,76.2) C89.2@52.819,76.2 ; U7.5@66.258,67.415 66.268,67.425 v1(67.225,67.425)
  Top Layer w0.508: v1(60.833,95.402) 60.833,96.302 61.43,96.899 C88.1@61.5,96.899 61.633,96.899 62.23,96.302 v1(62.23,95.402)